# KiCad board main_board_24V.kicad_pcb
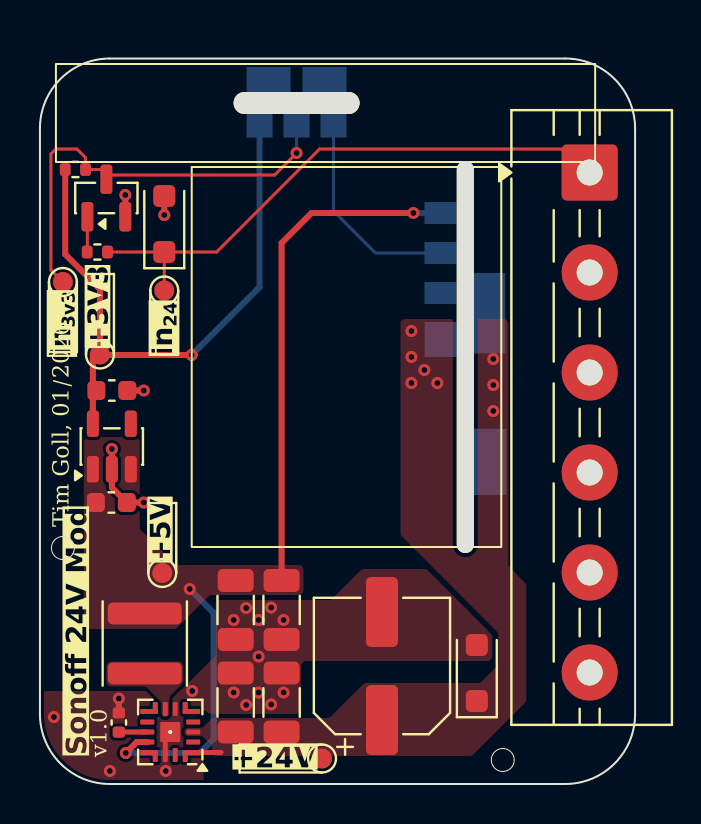
[diagram p0: board, top side]
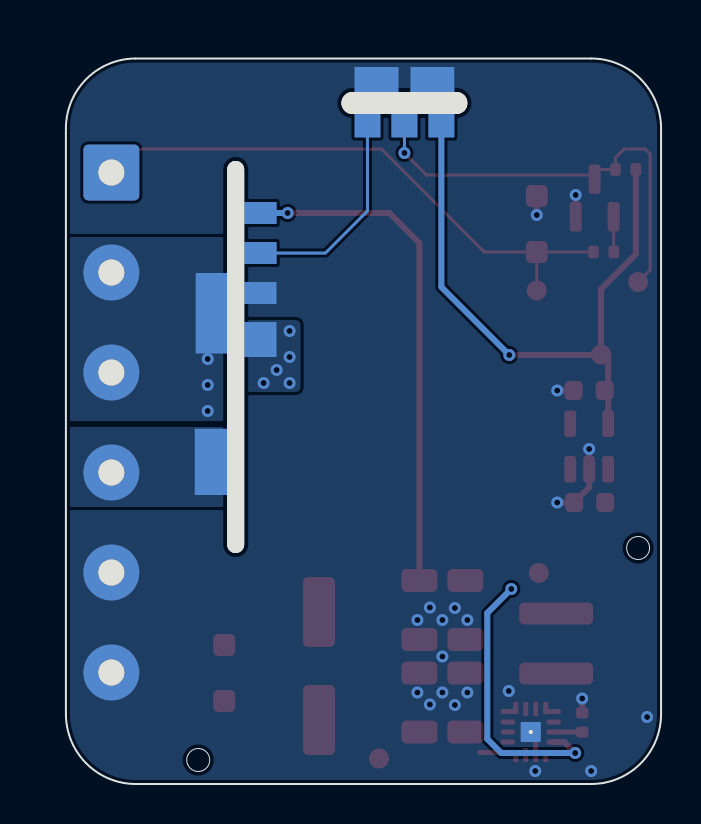
[diagram p1: board, bottom side, seen from below]

Outline 29.8 x 36.28 mm; copper layers: Top, Bottom. Coordinates in mm from the lower left corner of the outline.
Outline path: circle c1.15,11.8 r0.58 ; circle c23.17,1.2 r0.58 ; 0,32.78 arc(1.03,35.25) 3.5,36.28 26.3,36.28 arc(28.77,35.25) 29.8,32.78 29.8,3.5 arc(28.77,1.03) 26.3,0 3.5,0 arc(1.03,1.03) 0,3.5 0,32.78
Stack: Top 0.035mm / dielectric 0.91mm FR4 er 4.5 / Bottom 0.035mm

## Placement (name value [footprint] x y rotation side)
C1  47u  [CP_Elec_6.3x7.7]  17.12 5.9 90 top
C2  2u2  [C_0603_1608Metric]  3.57 14.08 0 top
C3  10u  [C_1206_3216Metric]  9.8 4.08 90 top
C4  10u  [C_1206_3216Metric]  12.1 4.08 90 top
C5  1u  [C_0402_1005Metric]  3.95 3.08 90 top
C6  2u2  [C_0603_1608Metric]  3.6 19.67 0 top
C7  47u  [C_1206_3216Metric]  9.8 8.7 270 top
C8  47u  [C_1206_3216Metric]  12.1 8.7 270 top
D1  SMF24A  [D_SOD-123F]  6.22 28 90 top
D7  SMF24A  [D_SOD-123F]  21.88 5.55 90 top
J1  WJ126V-5.0-06P-14-00A  [TerminalBlock_MaiXu_MX126-5.0-06P_1x06_P5.00mm]  27.52 30.58 270 top
L1  4u7  [L_Sunlord_SWPA4030S]  5.25 7.03 90 top
Q1  MMBT5551  [SOT-23]  3.32 29.3 90 top
R1  100k  [R_0402_1005Metric]  2.88 26.6 0 top
R2  100k  [R_0402_1005Metric]  1.77 30.73 180 top
TP1  TPad  [TestPoint_Pad_D1.0mm]  6.12 10.55 0 top
TP2  TPad  [TestPoint_Pad_D1.0mm]  3.01 21.48 0 top
TP3  TPad  [TestPoint_Pad_D1.0mm]  6.22 24.67 0 top
TP4  TPad  [TestPoint_Pad_D1.0mm]  1.15 25.1 0 top
TP6  TPad  [TestPoint_Pad_D1.0mm]  14.12 1.28 0 top
U1  TLV75733PDBV  [SOT-23-5]  3.6 16.88 90 top
U2  LMQ66430R5RXBR  [TI_VQFN_15_EP]  6.52 2.6 180 top
U3  MCU Board  [pcb_mcu]  12.85 34.05 0 top
U4  MCU Relais  [pcb_relais]  17.8 21.35 0 top

## Library data of the parts
C1 = -: Description: Polarized capacitor, small symbol; LCSC Part #: C3349; extended: yes; Rating: 50V; ki_fp_filters: CP_*
C2 C6 = -: Rating: 16V; LCSC Part #: C23630; extended: no; MPN: Samsung CL10A225KO5LNW; ki_fp_filters: C_*
C3 C4 = -: Description: Unpolarized capacitor, small symbol; Rating: 50V; LCSC Part #: C13585; extended: no; ki_fp_filters: C_*
C5 = -: Description: Unpolarized capacitor, small symbol; Rating: 25V; LCSC Part #: C52923; extended: no; ki_fp_filters: C_*
C7 C8 = -: Description: Unpolarized capacitor, small symbol; Rating: 10V; LCSC Part #: C96123; extended: no; ki_fp_filters: C_*
D1 D7 = -: Description: Zener diode, small symbol; LCSC Part #: C19077514; extended: no; Rating: 24V; ki_fp_filters: TO-???* *_Diode_* *SingleDiode* D_*
J1 = -: Description: Generic connector, single row, 01x06, script generated (kicad-library-utils/schlib/autogen/connector/); JLC Part #: C8379; extended: yes; ki_fp_filters: Connector*:*_1x??_*
L1 = -: Description: Inductor, small symbol; Rating: 2.4A 52mR; LCSC Part #: C15269; extended: yes; ki_fp_filters: Choke_* *Coil* Inductor_* L_*
Q1 = -: Description: NPN transistor, base/emitter/collector; LCSC Part #: C2145; extended: no; Rating: 150V 600mA
R1 R2 = -: Description: Resistor, small symbol; Rating: 62.5mW; LCSC Part #: C25741; extended: no; ki_fp_filters: R_*
TP1-TP4 TP6 = -: Description: test point (alternative probe-style design); extended: -- DNP --; ki_fp_filters: Pin* Test*
U1 = -: Datasheet: https://www.ti.com/lit/ds/symlink/tlv757p.pdf; Description: 1A Low IQ Small Size Low Dropout Voltage Regulator, Fixed Output 3.3V, SOT-23-5; Rating: 1A; MPN: TI TLV75733PDBV; LCSC Part #: C485517; ki_fp_filters: SOT?23*
U2 = -: Datasheet: https://www.ti.com/lit/ds/symlink/lmq66430.pdf; LCSC Part #: C22440565; extended: yes; Rating: 3A 36W
U3 = -: Description: Sonoff MCU Board; input needs pullup to VCC

## Footprints (pads in the part's own frame, mm; a bottom-side part is the same pattern mirrored in y, then rotated)
C_0402_1005Metric
  rrect 0.56x0.62 smd: 1(-0.48,0) 2(0.48,0)
C_0603_1608Metric
  rrect 0.9x0.95 smd: 1(-0.775,0) 2(0.775,0)
C_1206_3216Metric
  rrect 1.15x1.8 smd: 1(-1.475,0) 2(1.475,0)
CP_Elec_6.3x7.7
  rrect 3.5x1.6 smd: 1(-2.7,0) 2(2.7,0)
D_SOD-123F
  rrect 1.1x1.1 smd: 1(-1.4,0) 2(1.4,0)
L_Sunlord_SWPA4030S
  rrect 1.1x3.7 smd: 1(-1.5,0) 2(1.5,0)
pcb_mcu
  oval 6.3x1.1 hole 6.3x1.1 unplated: (0,0)
  rect 2.2x1.3 smd far side: 1(1.4,1.15) 2(-1.4,1.15)
  rect 1.3x1.25 smd far side: 3(1.85,-1.1) 4(0,-1.1) 5(-1.85,-1.1)
pcb_relais
  oval 0.85x19.6 hole 0.85x19.6 unplated: (3.5,0)
  rect 1.7x1.1 smd far side: 1(2.3,7.2) 2(2.3,5.2) 3(2.3,3.2)
  rect 1.7x1.75 smd far side: 4(2.3,0.875)
  rect 1.7x4.025 smd far side: 5(4.65,2.188)
  rect 1.7x3.312 smd far side: 6(4.7,-5.244)
R_0402_1005Metric
  rrect 0.54x0.64 smd: 1(-0.51,0) 2(0.51,0)
SOT-23
  rrect 1.475x0.6 smd: 1(-0.938,0.95) 2(-0.938,-0.95) 3(0.938,0)
SOT-23-5
  rrect 1.325x0.6 smd: 1(-1.137,0.95) 2(-1.137,0) 3(-1.137,-0.95) 4(1.137,-0.95) 5(1.137,0.95)
TerminalBlock_MaiXu_MX126-5.0-06P_1x06_P5.00mm
  rrect 2.8x2.8 hole 1.3: 1(0,0)
  round 2.8 hole 1.3: 2(5,0) 3(10,0) 4(15,0) 5(20,0) 6(25,0)
TestPoint_Pad_D1.0mm
  round 1 smd: 1(0,0)
TI_VQFN_15_EP
  rrect 0.95x0.95 smd: (0,0)
  rrect 0.875x0.25 smd: 1(-1.062,1.025) 5(-1.062,-1.025) 8(1.062,-1.025) 12(1.065,1.025)
  rrect 0.25x0.6 smd: 1(-0.75,1.2) 5(-0.75,-1.2) 8(0.75,-1.2) 12(0.75,1.2)
  rrect 0.7x0.25 smd: 2(-1.15,0.5) 3(-1.15,0) 4(-1.15,-0.5) 9(1.15,-0.5) 10(1.15,0) 11(1.15,0.5)
  rrect 0.25x0.7 smd: 6(-0.25,-1.15) 7(0.25,-1.15) 13(0.25,1.15) 14(-0.25,1.15)
  round 0.5 hole 0.2: 15(0,0)
  rrect 1x1 smd: 15(0,0)
  rrect 1x1 smd far side: 15(0,0)

## Nets
+3V3: C6.1 R2.2 TP2.1 U1.5 U3.5
+5V: C2.1 C7.1 C8.1 L1.2 TP1.1 U1.1 U1.3 U2.11 U4.1
+24V: C1.1 C3.1 C4.1 D7.1 J1.2 J1.3 TP6.1 U2.1 U2.3 U4.4 U4.5
GND: C1.2 C2.2 C3.2 C4.2 C5.2 C6.2 C7.2 C8.2 D1.2 D7.2 J1.5 J1.6 Q1.2 U1.2 U2.6 U2.13 U2.15 U3.1 U3.2 U4.3
/V_{out}: J1.4 U4.6
Net-(D1-K): D1.1 J1.1 R1.2 TP3.1
Net-(Q1-B): Q1.1 R1.1
Net-(Q1-C): Q1.3 R2.1 TP4.1 U3.4
Net-(U2-SW): L1.1 U2.7
Net-(U2-V_{CC}): C5.1 U2.10
Net-(U3-VCC): U3.3 U4.2

Pads without a net: U1 4; U2 2 4 5 8 9 12 14

## Via types
v1: diameter 0.6, hole 0.3, Top to Bottom, 34 vias

## Routing (per net, layer and track width the routed paths; a pad name or vN(x,y) marks a point on that pad's centre or on a via; arc(x,y) is an arc through that point)
+3V3: length 31.3
  Top w0.3: R2.2 1.27,26.48 3.01,24.74 TP2.1 ; 2.7,21.55 2.65,21.5 U1.5 ; 2.7,21.48 2.72,21.45 v1(7.6,21.45)
  Bottom w0.3: U3.5 11,24.85 v1(7.6,21.45)
+5V: length 39.4
  Top w0.3: 5.38,2.1 4.85,2.1 v1(4.3,1.55) ; v1(18.7,28.55) 13.6,28.55 12.1,27.05 12.1,10.25
  Bottom w0.3: v1(4.3,1.55) 8,1.55 8.7,2.25 8.7,8.55 v1(7.5,9.75) ; U4.1 v1(18.7,28.55)
+24V: length 1.5
  Top w0.25: U2.1 9.07,1.58
  vias: v1(18.6,22.65) v1(18.6,21.35) v1(18.6,20.05) v1(19.25,20.7) v1(19.9,20.05) v1(22.7,21.25) v1(22.7,19.95) v1(22.7,18.65)
GND: length 8.7
  Top w0.25: U2.13 6.27,2.35 U2.15
  Top w0.3: v1(6.22,28.45) D1.2 ; v1(4.27,29.45) Q1.2 ; C5.2 v1(3.95,4.28) ; v1(5.2,14.08) C2.2 3.6,14.83 U1.2 v1(3.6,16.75) ; v1(5.2,19.67) C6.2
  vias: v1(0.7,3.35) v1(3.5,0.65) v1(6.3,0.65) v1(7.62,4.65) v1(9.7,8.2) v1(9.7,4.58) v1(10.32,8.8) v1(10.32,3.95) v1(10.95,8.2) v1(10.95,6.38) v1(10.95,4.58) v1(11.57,8.83) v1(11.57,3.98) v1(12.2,8.2) v1(12.2,4.58)
Net-(D1-K): length 28.7
  Top w0.15: D1.1 8.85,26.6 14,31.75 26.35,31.75 J1.1 ; D1.1 3.38,26.6 ; D1.1 TP3.1
Net-(Q1-B): length 1.8
  Top w0.15: 2.38,28.36 2.38,26.61 R1.1
Net-(Q1-C): length 21.6
  Top w0.15: v1(12.85,31.55) 11.75,30.45 3.4,30.45 ; 3.3,30.73 R2.1 2.28,31.31 1.85,31.75 0.8,31.75 0.55,31.5 0.55,25.7 TP4.1
  Bottom w0.15: v1(12.85,31.55) U3.4
Net-(U2-V_{CC}): length 1.4
  Top w0.15: 3.95,2.6 C5.1
  Top w0.25: 5.38,2.6 3.95,2.6
Net-(U3-VCC): length 10.6
  Bottom w0.15: U4.2 16.8,26.55 14.7,28.65 U3.3

## Copper pours and planes (outline as drawn; the poured copper is in the pictures)
+5V on Top: 13.2,9.45 8.5,9.45 6.8,7.75 2.2,7.75 2.2,17.35 5,17.35 5,12.75 6.8,10.95 13.2,10.95
+24V on Top: 23.45,10.9 24.35,10 24.35,4.12 21.62,1.4 8.62,1.4 8.62,1.9 8.12,2.4 7.22,2.4 7.22,2.8 8.12,2.8 8.62,3.3 14.5,3.3 16.25,5.05 22.05,5.05 22.95,5.95 22.95,7.55 18.05,12.45 18.05,23.25 23.45,23.25
+24V on Bottom: 29.9,18.15 21.7,18.15 21.7,27.35 29.9,27.35
+24V on Bottom: 20.95,23.2 18.05,23.2 18.05,19.6 20.95,19.6
GND on Top: 22.65,7.45 22.65,6.15 13.07,6.15 13.07,3.5 8.47,3.5 8.2,3.78 8.2,-0.05 -0.2,-0.05 -0.2,4.65 7.02,4.65 8.8,6.42 8.8,9.2 14.57,9.2 16.12,10.75 19.35,10.75
GND on Bottom: -0.4,36.65 29.9,36.65 29.9,-0.15 -0.4,-0.15
/V_{out} on Bottom: 21.7,17.85 29.9,17.85 29.9,13.85 21.7,13.85
Net-(U2-SW) on Top: 6.47,3.35 6.07,3.35 6.07,4.1 5.3,4.88 3.45,4.88 3.32,5 3.32,6.12 7.17,6.12 7.17,5.05 6.47,4.35

## Text on the board
F.Silkscreen: Tim Goll, 01/2026 | v1.0 | +24V | in_{3v3} | +3V3 | +5V | in_{24} | Sonoff 24V Mod
User.1: ref image is mirrored on backside
